# Altium PCB Main.PcbDoc (part 2 of 2)
Units mm, origin at the board's own origin, x right, y up, seen from the top; angles counter-clockwise.
Board outline 52 x 90 mm, 4 copper layers (Top Copper, Top GND, Bottom GND, Bottom Copper), stack 1.586 mm thick; 127 components, 102 nets, 535 pads, 442 vias.
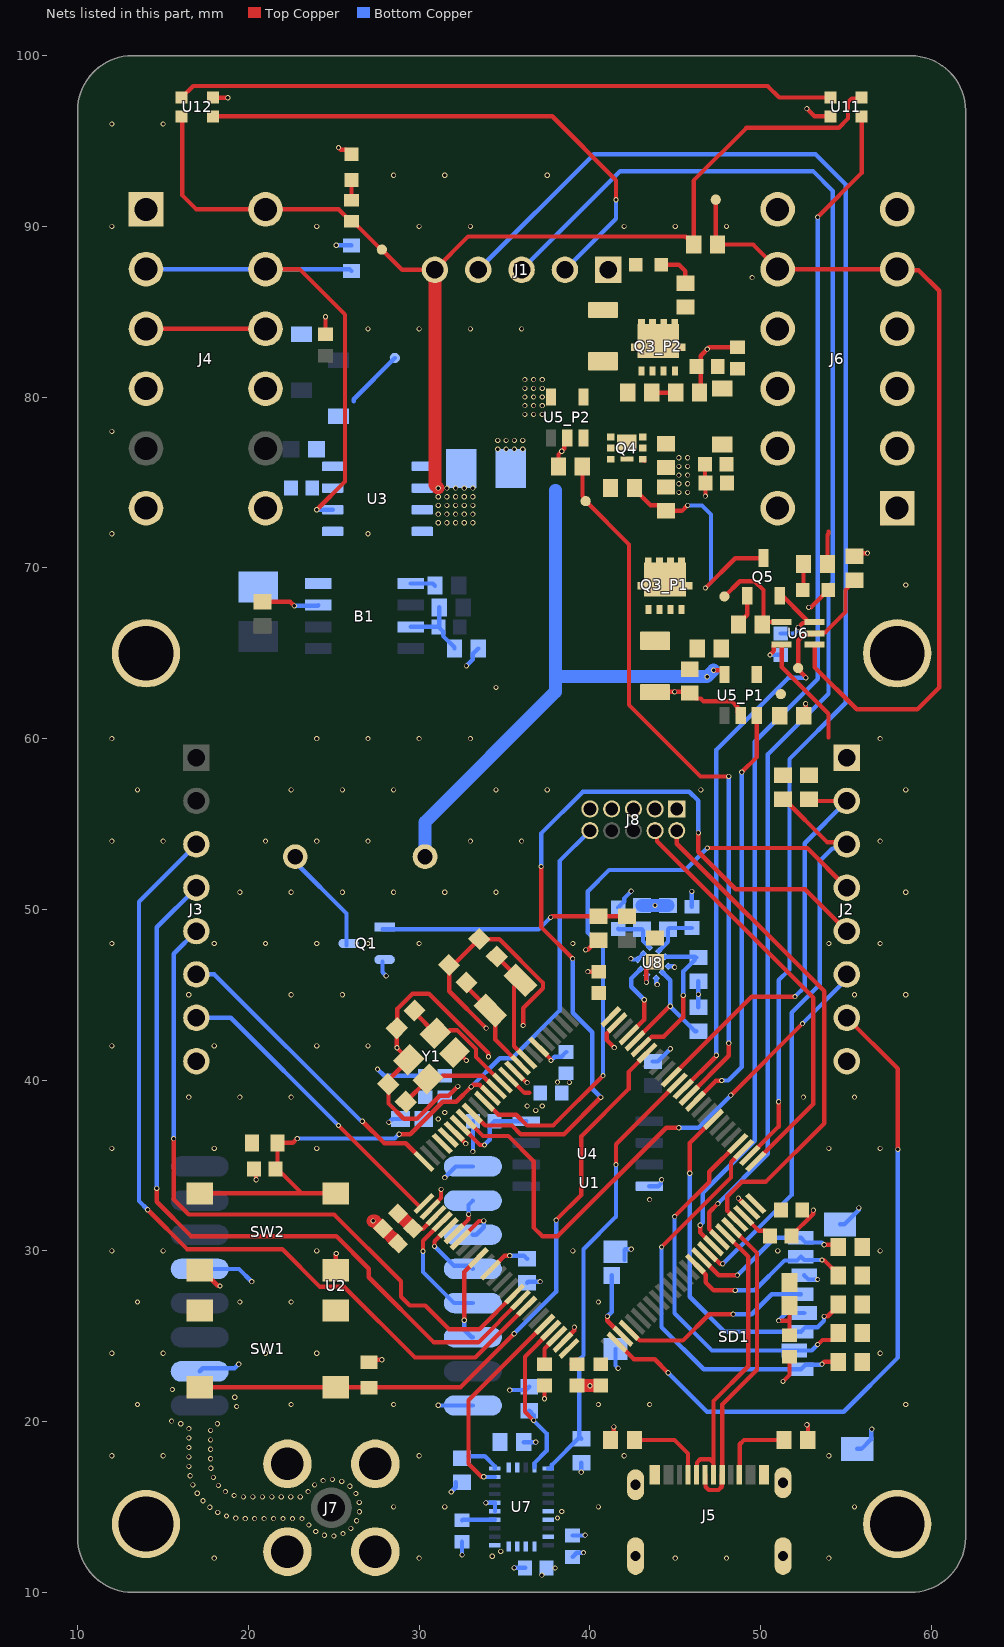
[diagram p4: the nets of this part, all layers, seen from the top]

## Via types
v1: diameter 0.3, hole 0.2, Top Copper to Bottom Copper, tented both sides, 442 vias

## Nets (pads, with @x,y where several pads share a name; then routed paths per layer and width w, separated by ;. In a path a pad name is that pad's centre, name@x,y a point inside that pad or via, vN(x,y) a via of type N, cw(c..) or ccw(c..) an arc to the next point about the centre after c; other vN are vias at no path point) (continued)
GND: B1.4 C1.2 C2.2 C3.2 C4.2 C5.1 C6.2 C7.1 C8.1 C9.1 C10.1 C11.2 C12.2 C13.1 C14.2 C15.2 C16.2 C17.2 C18.1 C19.1 C20.1 C21.1 C22.1 C23.1 C24.1 C25_P1.2 C25_P2.2 C26_P1.2 C26_P2.2 C27.2 C28.1 C29.1 C31.1 C32.1 D2_P1.1 D2_P2.1 D5.1 F1_P1.2 F1_P2.2 J1.1 J2.8 J3.8 J4.7 J4.8 J4.11 J4.12 J5.A1 J5.A12 J5.B1 J5.B12 J5.S1 J5.S2 J5.S3 J5.S4 J6.11 J6.12 J7.2 J7.3 J7.4 J7.5 J8.3 J8.5 J8.7 J8.9 pad.M1 pad.M2 pad.M3 pad.M4 Q1.2 Q5.2 R15.1 R16.1 R18.1 R19.2 R20.2 R28_P1.1 R28_P2.1 R29_P1.1 R29_P2.1 R34.1 R37.2 R38.1 SD1.6 SD1.10 SD1.11 SD1.12 SD1.13 SW2.1 SW2.2 U1.10 U1.20 U1.27 U1.49 U1.74 U1.99 U2.1 U2.8 U2.10 U3.1 U4.4 U5_P1.2 U5_P2.2 U6.3 U7.2 U7.4 U7.5 U7.6 U7.25 U7.26 U8.3 U8.5 U8.8 U8.9 U11.2 U12.2 Y1.2 Y1.4 | length 113.3
  Top Copper w0.254: SW2.2@17.156,28.865 17.281,28.865 18.197,27.949 18.327,27.949 v1(18.336,27.94) ; U12.2@17.749,97.651 17.856,97.543 18.789,97.543 v1(18.796,97.536) ; C13.1@20.278,34.798 20.447,34.629 v1(20.447,34.163) ; C32.1@24.511,83.684 v1(24.511,84.709) ; SW2.1@25.106,28.865 25.106,29.805 v1(25.146,29.845) ; v1(25.273,94.615) 25.285,94.615 25.405,94.495 25.762,94.495 D5.1@26.035,94.222 ; R18.1@27.051,23.483 27.19,23.622 v1(27.813,23.622) ; U1.27@30.639,32.417 30.639,32.45 31.279,33.09 31.279,33.59 v1(31.288,33.598) ; U1.20@32.054,36.997 32.054,36.965 32.728,36.29 v1(32.728,36.278) ; Y1.4@32.078,41.614 32.3,41.614 v1(32.766,41.148) ; v1(32.264,39.628) 31.715,39.079 31.205,39.079 29.867,37.741 29.097,37.741 28.204,38.633 28.204,39.741 C17.2@28.188,39.757 28.188,39.987 Y1.2@29.39,41.19 28.702,41.878 v1(28.702,41.894) 28.68,41.917 28.68,43.031 C16.2@28.696,43.047 28.712,43.063 28.712,44.171 29.605,45.063 30.567,45.063 34.05,41.581 34.05,41.376 v1(34.059,41.367) ; v1(33.92,43.044) 31.76,45.204 31.76,46.726 C15.2@31.744,46.742 31.998,46.742 C14.2@33.522,48.266 33.538,48.25 34.698,48.25 37.253,45.694 37.253,45.381 36.086,44.214 v1(36.086,43.198) ; U1.10@35.589,40.532 35.622,40.532 36.289,39.865 36.313,39.865 v1(36.322,39.856) ; v1(37.338,21.336) C12.2@37.338,22.107 ; R29_P2.1@38.162,75.946 38.162,76.643 v1(38.354,76.835) 38.354,76.847 38.501,76.994 38.501,77.437 U5_P2.2@38.674,77.61 ; U1.49@38.417,24.639 38.417,24.672 39.082,25.337 39.082,25.518 v1(39.091,25.527) ; v1(39.751,47.625) 39.76,47.634 39.877,47.634 40.438,48.195 R16.1@40.513,48.195 ; v1(39.878,46.355) 40.504,46.355 C23.1@40.513,46.346 ; R19.2@41.21,18.923 41.402,18.923 v1(41.402,19.685) ; v1(41.425,41.904) 40.982,42.347 40.982,42.727 41.583,43.328 U1.99@41.583,43.361 ; F1_P1.2@43.815,62.722 43.831,62.738 v1(44.958,62.738) 45.782,62.738 46.17,62.35 46.489,62.35 46.658,62.181 48.314,62.181 48.656,61.839 48.656,61.527 U5_P1.2@48.829,61.354 ; R28_P2.1@46.42,80.264 46.491,80.335 46.491,82.432 46.981,82.922 C26_P1.2@48.641,82.922 ; C26_P2.2@46.745,76.073 46.745,74.983 46.767,74.961 v1(46.767,74.208) ; v1@48.695,33.084 U1.74@49.361,32.417 ; Q5.2@51.115,68.75 51.115,68.525 52.705,66.935 U6.3@52.705,66.878 ; v1(51.308,22.352) 51.689,22.733 C6.2@51.689,23.799 ; C11.2@51.807,30.861 51.807,30.892 53.077,32.162 53.077,32.376 v1(53.086,32.385) ; v1(52.197,66.515) 52.209,66.515 52.471,66.777 53.111,66.777 U6.3@53.162,66.827 ; R29_P1.1@52.516,61.341 52.636,61.461 v1(52.636,62.045) ; v1(52.705,19.812) 52.77,19.812 R20.2@52.77,18.923 ; v1(52.705,96.901) 53.156,96.45 U11.2@54.085,96.45 ; v1(52.809,67.691) 52.818,67.7 52.956,67.7 D2_P1.1@53.963,68.707 ; R34.1@55.499,70.677 55.688,70.866 v1(56.261,70.866)
  Top Copper w0.76: v1(27.305,31.75) 27.403,31.75 27.846,31.307 C20.1@27.878,31.307 C28.1@28.767,30.418 ; C18.1@39.243,22.107 39.252,22.098 40.6,22.098 C19.1@40.609,22.107
  Bottom Copper w0.254: U2.10@17.146,22.94 17.327,23.121 19.184,23.121 v1(19.431,23.368) ; J4.8@20.868,80.632 J4.8@21,80.5 ; v1(25.146,88.9) 26.023,88.9 R15.1@26.035,88.888 ; v1(27.559,40.64) 27.949,40.25 C9.1@30.353,40.25 C10.1@31.496,40.25 ; Q1.2@27.847,46.929 27.847,46.321 v1(28.067,46.101) ; v1(31.115,20.955) 31.13,20.94 U2.8@33.146,20.94 ; v1(31.496,34.29) 32.146,34.94 U2.1@33.146,34.94 ; v1(32.512,12.192) C4.2@32.512,12.963 ; v1@32.775,64.271 33.143,64.639 33.143,64.955 R37.2@33.466,65.278 ; v1(33.147,35.814) 33.156,35.823 33.156,35.954 C29.1@33.156,37.592 ; R38.1@36.322,28.129 36.387,28.194 v1(37.084,28.194) ; C3.2@38.989,12.074 39.234,12.319 v1(39.624,12.319) ; SD1.11@41.5,24.25 41.5,23.282 41.656,23.126 v1(41.656,23.114) ; C8.1@41.656,50.105 42.004,50.453 42.004,50.64 42.405,51.041 42.405,51.061 v1(42.414,51.07) ; SD1.10@42.023,29.473 42.023,30.049 42.073,30.099 v1(42.418,30.099) ; v1(42.403,47.117) 42.454,47.066 42.778,47.066 U8.8@42.786,47.057 U8.9@43.14,47.411 ; U4.4@43.483,33.782 43.998,33.782 44.161,33.945 44.161,34.128 v1(44.196,34.163) ; U8.5@43.882,45.961 43.891,45.953 43.891,45.644 v1(43.942,45.593) ; U8.3@44.59,46.669 44.598,46.66 44.907,46.66 v1(44.958,46.609) ; C7.1@45.974,50.156 v1(45.974,51.054) ; C27.2@51.181,66.158 51.972,66.158 52.2,66.386 52.179,66.386 52.176,66.388 52.176,66.495 v1(52.197,66.515) ; SD1.6@52.56,28.56 52.799,28.321 v1(53.34,28.321) ; SD1.13@54.65,31.55 54.9,31.55 55.744,32.394 55.744,32.503 v1(55.753,32.512) ; SD1.12@55.65,18.4 55.9,18.4 56.473,18.973 56.473,19.504 56.515,19.546 v1(56.515,19.558)
  other v1: 37.188,11.002 37.966,11.422 18,12 30,12 45,12 48,12 54,12 34.28,12.114 34.78,12.391 25.004,13.297 24.452,13.338 25.54,13.438 23.945,13.56 26.003,13.743 23.542,13.94 26.336,14.186 19.81,14.316 20.364,14.316 20.918,14.316 21.472,14.316 22.026,14.316 22.58,14.316 23.134,14.316 19.257,14.343 38.1,14.351 18.717,14.467 18.205,14.679 26.499,14.715 38.354,14.732 17.741,14.981 28.5,15 31.5,15 40.5,15 55.5,15 26.488,15.269 17.336,15.359 19.707,15.586 20.261,15.586 20.815,15.586 21.369,15.586 21.923,15.586 22.477,15.586 23.031,15.586 19.159,15.67 17.002,15.801 26.293,15.788 18.653,15.894 23.491,15.895 25.938,16.213 18.241,16.264 16.749,16.294 23.879,16.291 25.461,16.496 24.371,16.545 24.921,16.616 17.943,16.731 16.584,16.823 17.803,17.267 16.514,17.372 17.781,17.821 16.511,17.926 12,18 15,18 30,18 42,18 54,18 17.781,18.375 16.511,18.48 17.781,18.929 16.511,19.034 17.781,19.483 16.511,19.588 16.035,19.872 18.178,19.869 15.504,20.029 19.308,20.883 13.5,21 22.5,21 28.5,21 40.5,21 43.5,21 58.5,21 19.194,21.425 15.543,21.877 40.005,22.098 12,24 15,24 21,24 24,24 57,24 13.5,27 19.5,27 22.5,27 40.5,27 12,30 15,30 24,30 39,30 51,30 57,30 43.5,33 48.695,33.085 12,36 18,36 24,36 54,36 57,36 16.5,39 19.5,39 22.5,39 52.5,39 55.5,39 38.795,39.863 38.1,39.878 12,42 18,42 24,42 27,42 16.5,45 22.5,45 25.5,45 55.5,45 58.5,45 12,48 18,48 21,48 24,48 27,48 30,48 39,48 54,48 57,48 19.5,51 22.5,51 25.5,51 28.5,51 31.5,51 34.5,51 58.5,51 12,54 15,54 21,54 24,54 27,54 33,54 36,54 57,54 13.5,57 22.5,57 25.5,57 28.5,57 34.5,57 37.5,57 46.5,57 58.5,57 12,60 24,60 27,60 30,60 33,60 57,60 34.5,63 32.766,64.262 58.5,69 12,72 27,72 34.599,76.962 35.089,76.962 35.578,76.962 36.068,76.962 34.599,77.472 35.089,77.472 35.578,77.472 36.068,77.472 12,78 46.874,82.815 27,84 30,84 33,84 36,84 49.5,87 12,90 24,90 30,90 33,90 42,90 45,90 48,90 28.5,93 31.5,93 37.5,93 12,96 15,96
GPIO1: J3.5 U1.41 | length 40.8
  Top Copper w0.254: v1(15.621,36.576) 15.621,33.013 16.503,32.131 25.019,32.131 28.933,28.217 28.933,27.316 29.452,26.797 30.353,26.797 31.745,25.405 33.526,25.405 U1.41@35.589,27.468
  Bottom Copper w0.254: v1(15.621,36.576) 15.621,47.401 J3.5@16.95,48.73
GPIO2: J3.4 U1.42 | length 45.4
  Top Copper w0.254: v1(14.628,33.655) 14.628,32.87 16.637,30.861 25.146,30.861 27.051,28.956 27.051,28.448 30.861,24.638 33.466,24.638 U1.42@35.943,27.114
  Bottom Copper w0.254: v1(14.628,33.655) 14.628,48.948 J3.4@16.95,51.27
GPIO3: J3.3 U1.43 | length 50
  Top Copper w0.254: v1(14.097,32.407) 16.405,30.099 21.985,30.099 24.196,27.888 25.612,27.888 29.751,23.749 33.285,23.749 U1.43@36.296,26.761
  Bottom Copper w0.254: v1(14.097,32.407) 13.589,32.915 13.589,50.449 J3.3@16.95,53.81
GPS_LED: J1.2 U12.1 | length 31.7
  Top Copper w0.254: U12.1@17.915,96.45 37.789,96.45 41.529,92.71 v1(41.529,91.567)
  Bottom Copper w0.254: J1.2@38.54,87.46 41.529,90.449 v1(41.529,91.567)
GPS_RX: J1.4 U1.77 | length 84.3
  Top Copper w0.254: U1.77@49.361,35.583 51.054,37.276 v1(51.054,38.735)
  Bottom Copper w0.254: J1.4@33.46,87.46 40.234,94.234 53.213,94.234 54.991,92.456 54.991,62.103 51.689,58.801 51.689,46.482 51.054,45.847 v1(51.054,38.735)
GPS_TX: J1.3 U1.69 | length 85.8
  Top Copper w0.254: v1(47.498,32.766) 46.99,32.258 46.99,31.285 47.593,30.682 U1.69@47.593,30.65
  Bottom Copper w0.254: J1.3@36,87.46 41.78,93.24 53.064,93.24 54.229,92.075 54.229,69.152 53.975,68.898 53.975,62.633 50.419,59.077 50.419,35.687 v1(47.498,32.766)
I2C1_SCL: R10.2 U1.95 U8.2 | length 8.8
  Top Copper w0.254: U1.95@42.997,41.946 43.029,41.946 43.63,42.547 43.901,42.547 43.904,42.545 44.323,42.545 45.466,43.688 v1(45.466,44.958)
  Bottom Copper w0.254: U8.2@44.395,47.217 44.404,47.225 R10.2@46.144,47.225 ; v1(45.466,44.958) 45.466,46.368 46.153,47.055 46.153,47.182 R10.2@46.228,47.182
I2C1_SDA: R9.2 U1.96 U8.4 | length 7.2
  Top Copper w0.254: U1.96@42.643,42.3 44.666,44.323 v1(44.704,44.323)
  Bottom Copper w0.254: U8.4@44.236,46.315 44.704,45.847 44.704,44.31 46.153,42.861 R9.2@46.228,42.861
I2C2_SCL: R12.2 U1.47 U7.19 | length 10.2
  Top Copper w0.254: v1(36.703,20.066) 36.195,20.574 36.195,23.799 37.71,25.314 U1.47@37.71,25.346
  Bottom Copper w0.254: R12.2@36.449,20.636 36.703,20.382 v1(36.703,20.066) 37.465,19.304 37.465,18.288 36.75,17.573 U7.19@36.75,17.313
I2C2_SDA: R11.2 U1.89 U7.20 | length 26
  Top Copper w0.254: v1(41.529,35.052) 41.529,36.236 U1.89@45.118,39.825
  Bottom Copper w0.254: U7.20@37.562,17.25 37.771,17.25 37.773,17.252 37.773,17.461 R11.2@39.399,19.086 ; R11.2@39.497,18.988 39.372,19.113 39.372,23.624 39.622,23.874 39.622,30.097 41.529,32.004 v1(41.529,35.052)
I2C3_SCL: J2.3 R39.2 U1.67 | length 34
  Top Copper w0.254: U1.67@46.886,29.943 46.918,29.943 47.619,29.242 47.766,29.242 v1(47.775,29.233) ; R39.2@51.308,56.45 51.383,56.45 53.894,53.939 54.921,53.939 J2.3@55.05,53.81
  Bottom Copper w0.254: v1(47.775,29.233) 51.816,33.274 51.816,43.942 53.467,45.593 53.467,52.832 54.197,53.562 54.802,53.562 J2.3@55.05,53.81
I2C3_SDA: J2.2 R40.2 U1.90 | length 24.2
  Top Copper w0.254: U1.90@44.764,40.179 49.475,44.889 v1(52.012,44.889) ; R40.2@52.832,56.45 52.932,56.35 J2.2@55.05,56.35
  Bottom Copper w0.254: v1(52.012,44.889) 52.578,45.455 52.578,53.878 J2.2@55.05,56.35
IMU_INT: U1.46 U7.14 | length 11.9
  Top Copper w0.254: v1(33.782,16.764) 33.655,16.764 32.893,17.526 32.893,21.245 37.348,25.7 U1.46@37.357,25.7
  Bottom Copper w0.254: v1(33.782,16.764) 33.796,16.75 U7.14@34.438,16.75
LED: U1.68 U11.3 | length 70.4
  Top Copper w0.254: v1(46.459,31.496) 46.459,31.077 U1.68@47.239,30.296 ; v1(53.34,90.551) 55.915,93.126 U11.3@55.915,96.45
  Bottom Copper w0.254: v1(46.459,31.496) 46.459,31.508 46.609,31.658 46.609,33.401 49.657,36.449 49.657,59.817 53.34,63.5 v1(53.34,90.551)
MainSwitch_Low: J4.3 J4.4 R15.2 U3.2 | length 30.9
  Top Copper w0.254: J4.4@21,87.5 22.99,87.5 25.654,84.836 25.654,75.057 v1(24.003,73.406)
  Bottom Copper w0.254: J4.3@14,87.5 J4.4@21,87.5 25.923,87.5 R15.2@26.035,87.388 ; v1(24.003,73.406) U3.2@24.934,73.406
MISO: U1.31 U2.2 | length 2.4
  Top Copper w0.254: U1.31@32.054,31.003 32.884,31.834 32.884,32.122 v1(32.893,32.131)
  Bottom Copper w0.254: v1(32.893,32.131) 32.893,32.687 U2.2@33.146,32.94
MOSI: U1.32 U2.3 | length 3
  Top Copper w0.254: U1.32@32.407,30.65 33.507,31.75 v1(33.782,31.75)
  Bottom Copper w0.254: U2.3@33.146,30.94 33.345,30.94 33.782,31.377 v1(33.782,31.75)
MPU_BOOT0: R18.2 SW1.1 SW1.2 U1.94 | length 39.4
  Top Copper w0.254: SW1.2@17.156,22.007 32.421,22.007 v1(35.56,25.146) ; v1(38.021,31.798) 39.497,33.274 39.497,36.703 42.268,39.474 42.268,40.478 42.85,41.06 43.35,41.56 U1.94@43.35,41.593
  Bottom Copper w0.254: v1(35.56,25.146) 38.021,27.607 v1(38.021,31.798)
MPU_HSE_IN: C16.1 U1.12 Y1.1 | length 7.4
  Top Copper w0.254: C16.1@29.724,44.075 29.724,43.968 Y1.1@30.946,42.746 31.615,42.746 31.796,42.926 32.218,42.926 33.324,41.82 33.324,41.351 34.849,39.825 U1.12@34.882,39.825
MPU_HSE_OUT: C17.1 U1.13 Y1.3 | length 6.3
  Top Copper w0.254: C17.1@29.216,38.729 30.522,40.035 Y1.3@30.522,40.058 31.191,40.058 31.391,40.259 33.708,40.259 34.496,39.472 U1.13@34.528,39.472
MPU_LSE_IN: C14.1 U1.8 Y2.1 | length 7
  Top Copper w0.254: C14.1@34.55,47.238 34.55,47.228 Y2.1@35.936,45.842 35.555,45.461 35.555,41.981 U1.8@36.296,41.239
MPU_LSE_OUT: C15.1 U1.9 Y2.2 | length 6.1
  Top Copper w0.254: C15.1@32.772,45.714 32.772,45.47 Y2.2@34.168,44.074 34.451,43.791 34.451,42.377 U1.9@35.943,40.886
MPU_NRST: C13.2 J8.10 R17.1 SW2.3 SW2.4 U1.14 | length 44.5
  Top Copper w0.254: SW2.4@17.156,33.365 23.138,33.365 ; v1(22.86,36.576) 22.848,36.576 22.594,36.322 R17.1@21.705,36.322 21.705,34.871 21.632,34.798 21.705,34.798 23.138,33.365 ; SW2.3@24.807,33.664 SW2.3@25.106,33.365 23.138,33.365 ; v1(28.829,36.83) 29.475,36.83 31.38,38.735 32.177,38.735 v1(33.043,39.601) ; v1@33.058,39.586 33.058,39.603 33.174,39.719 33.541,39.719 34.142,39.118 U1.14@34.175,39.118
  Bottom Copper w0.254: v1(22.86,36.576) 28.563,36.576 28.817,36.83 v1(28.829,36.83) ; v1(33.043,39.601) 34.724,41.281 35.439,41.281 38.227,44.069 38.227,52.832 J8.10@40.005,54.61
MPU_VCAP1: C12.1 U1.48 | length 1.9
  Top Copper w0.254: C12.1@37.338,23.359 37.338,24.267 U1.48@38.064,24.993
MPU_VCAP2: C11.1 U1.73 | length 2.1
  Top Copper w0.254: U1.73@49.04,32.064 U1.73@49.007,32.064 49.903,31.168 50.279,31.168 50.555,30.892 C11.1@50.555,30.861
NetB1_3: B1.3 R3.1 | length 3.4
  Top Copper w0.254: R3.1@20.828,68.01 22.451,68.01 22.682,67.779 v1(22.694,67.779)
  Bottom Copper w0.254: v1(22.694,67.779) 22.703,67.788 24.056,67.788 B1.3@24.086,67.818
NetB1_5: B1.5 R1.2 | length 1.5
  Bottom Copper w0.254: B1.5@29.508,69.088 30.796,69.088 R1.2@30.923,68.961
NetB1_7: B1.7 C30.2 R2.2 R37.1 | length 4.4
  Bottom Copper w0.254: B1.7@29.508,66.548 C30.2@31.124,66.548 ; R2.2@31.177,67.691 31.177,66.601 C30.2@31.124,66.548 ; R37.1@32.066,65.278 32.066,65.353 31.4,66.019 31.4,66.272 C30.2@31.124,66.548
NetC4_1: C4.1 U7.9 | length 1.9
  Bottom Copper w0.254: C4.1@32.512,14.215 32.547,14.25 U7.9@34.438,14.25
NetC6_1: C6.1 FB2.1 SD1.4 | length 4.1
  Top Copper w0.254: v1(51.054,25.908) 51.673,25.908 51.689,25.924 ; C6.1@51.689,25.051 51.689,25.924 ; FB2.1@51.689,26.797 51.689,25.924
  Bottom Copper w0.254: v1(51.054,25.908) 51.506,26.36 SD1.4@52.56,26.36
NetD2_P1_2: D2_P1.2 R26_P1.1 | length 1.5
  Top Copper w0.254: D2_P1.2@52.463,68.707 52.513,68.757 R26_P1.1@52.513,70.231
NetD2_P2_2: D2_P2.2 R26_P2.1 | length 2.3
  Top Copper w0.254: D2_P2.2@44.184,87.757 45.212,87.757 45.593,87.376 R26_P2.1@45.593,86.679
NetD3_1: D3.1 Q4.1 Q4.2 Q4.5 Q4.6 Q4.7 R30.2
NetF1_P1_1: F1_P1.1 Q3_P1.1 Q3_P1.2 Q3_P1.3
NetF1_P2_1: F1_P2.1 Q3_P2.1 Q3_P2.2 Q3_P2.3
NetLS1_2: LS1.2 Q1.3 | length 6.5
  Bottom Copper w0.254: LS1.2@22.743,53.086 22.743,52.762 25.747,49.759 Q1.3@25.747,47.879
NetQ1_1: Q1.1 R16.2 R36.2 | length 14.6
  Top Copper w0.254: v1(37.696,49.53) 37.708,49.53 37.773,49.595 R36.2@42.164,49.595
  Bottom Copper w0.254: Q1.1@27.847,48.829 36.995,48.829 v1(37.696,49.53)
NetQ3_P1_4: Q3_P1.4 R27_P1.1 R28_P1.2
NetQ3_P2_4: Q3_P2.4 R27_P2.1 R28_P2.2 | length 1.5
  Top Copper w0.254: R27_P2.1@43.626,80.264 R28_P2.2@45.02,80.264 R28_P2.2@44.946,80.338
NetQ4_3: Q4.3 R32.1
NetQ5_1: Q5.1 R33.1 | length 2.3
  Top Copper w0.254: R33.1@48.703,66.675 48.703,66.75 49.215,67.262 Q5.1@49.215,68.75
NetQ5_3: Q5.3 R31.1 R32.2 | length 14
  Top Copper w0.254: R32.2@42.61,74.676 42.61,74.601 43.547,73.664 44.127,73.664 R31.1@44.45,73.341 45.389,73.341 45.708,73.66 v1(45.72,73.66) ; v1(46.764,68.821) 48.512,70.569 Q5.3@50.165,70.569
  Bottom Copper w0.254: v1(45.72,73.66) 46.563,73.66 47.092,73.13 47.092,69.149 v1(46.764,68.821)
NetR6_1: R6.1 U8.6 | length 1.9
  Top Copper w0.254: v1(43.307,45.72) 43.307,46.492 43.74,46.925 R6.1@43.815,46.925
  Bottom Copper w0.254: v1(43.307,45.72) 43.326,45.739 43.326,46.147 U8.6@43.334,46.156
NetR7_2: R7.2 U7.15 | length 1.9
  Bottom Copper w0.254: R7.2@32.893,17.969 33.847,17.969 34.417,17.399 34.417,17.252 34.419,17.25 U7.15@34.438,17.25
NetR8_2: R8.2 U7.16
NetR27_P1_2: R27_P1.2 U5_P1.4
NetR27_P2_2: R27_P2.2 U5_P2.4
NetR33_2: R33.2 TP5.1 U6.4 | length 6.6
  Top Copper w0.254: TP5.1@47.879,68.326 48.774,69.221 49.65,69.221 50.165,68.706 R33.2@50.165,66.737 ; R33.2@49.78,66.352 R33.2@50.103,66.675 R33.2@50.165,66.737 ; R33.2@50.165,66.675 R33.2@50.165,66.737 ; U6.4@50.959,66.878 U6.4@51.01,66.827 ; U6.4@51.232,66.827 U6.4@51.01,66.827 ; R33.2@50.165,66.737 50.255,66.827 U6.4@51.01,66.827
NetR38_2: R38.2 U1.37 | length 2.6
  Top Copper w0.254: U1.37@34.175,28.882 35.002,29.709 35.297,29.709 v1(35.306,29.718)
  Bottom Copper w0.254: v1(35.306,29.718) 36.133,29.718 R38.2@36.322,29.529
NetU11_1: U11.1 U12.3 | length 38.6
  Top Copper w0.254: U12.3@16.085,97.55 16.762,98.227 50.408,98.227 51.085,97.55 U11.1@54.085,97.55
NRESET: U1.35 U2.6 | length 5.2
  Top Copper w0.254: v1(32.639,25.936) 32.639,28.76 U1.35@33.468,29.589
  Bottom Copper w0.254: v1(32.639,25.936) 32.639,25.377 33.076,24.94 U2.6@33.146,24.94
NSS: U1.29 U2.5 | length 7.1
  Top Copper w0.254: v1(30.226,29.972) 30.226,30.59 U1.29@31.346,31.71
  Bottom Copper w0.254: v1(30.226,29.972) 30.226,28.76 32.046,26.94 U2.5@33.146,26.94
PSENS_INT: U1.97 U8.7 | length 4.8
  Top Copper w0.254: U1.97@42.29,42.654 43.18,43.544 v1(43.18,44.704)
  Bottom Copper w0.254: U8.7@42.981,46.509 42.418,45.947 42.418,45.466 v1(43.18,44.704)
PSENS_VDD: C8.2 R5.1 U8.10 | length 2.7
  Bottom Copper w0.254: C8.2@41.656,48.854 41.681,48.83 R5.1@43.044,48.83 43.11,48.764 43.11,48.148 U8.10@43.494,47.765
PSENS_VDDIO: C7.2 R4.1 U8.1 | length 2.9
  Bottom Copper w0.254: U8.1@44.042,47.57 44.577,48.106 R4.1@44.577,48.83 44.652,48.905 C7.2@45.974,48.904
Pyro_Enable: R34.2 TP6.1 U1.88 U6.2 | length 35.3
  Top Copper w0.254: U1.88@45.472,39.472 47.399,41.399 47.399,41.443 v1(47.408,41.452) ; v1(52.647,63.558) 52.638,63.567 52.638,63.613 52.197,64.054 52.197,65.766 52.547,66.116 53.111,66.116 U6.2@53.162,66.167 53.213,66.218 53.777,66.218 54.974,67.415 54.974,68.7 55.297,69.023 R34.2@55.372,69.023
  Bottom Copper w0.254: v1(47.408,41.452) 47.408,59.346 51.62,63.558 v1(52.647,63.558)
Pyro_Fire_1: R29_P1.2 TP4_P1.1 U1.86 U5_P1.3 | length 24.5
  Top Copper w0.254: U1.86@46.179,38.764 47.38,39.966 47.713,39.966 v1(47.722,39.975) ; v1(48.895,58.039) 49.779,58.923 U5_P1.3@49.779,61.354
  Bottom Copper w0.254: v1(47.722,39.975) 48.103,39.975 48.895,40.767 v1(48.895,58.039)
Pyro_Fire_2: R29_P2.2 TP4_P2.1 U1.87 U5_P2.3 | length 42.3
  Top Copper w0.254: R29_P2.2@39.562,75.946 39.562,74.197 39.751,74.008 TP4_P2.1@39.751,73.914 42.291,71.374 42.291,61.976 46.482,57.785 v1(48.133,57.785) ; U1.87@45.825,39.118 48.133,41.426 v1(48.133,42.164)
  Bottom Copper w0.254: v1@48.133,42.176 v1(48.133,57.785)
Pyro_High_1: C25_P1.1 C25_P2.1 C26_P1.1 C26_P2.1 D3.2 J6.3 J6.4 J6.5 J6.6
Pyro_Interlock_High: J6.9 J6.10 R35.2 TP7.1 U6.1 | length 50.2
  Top Copper w0.254: TP7.1@47.371,91.567 47.371,90.297 47.371,89.047 R35.2@47.476,88.942 47.498,88.942 49.558,88.942 J6.10@51,87.5 J6.9@58,87.5 58.06,87.44 59.245,87.44 60.457,86.228 60.457,62.997 59.182,61.722 55.626,61.722 53.162,64.186 U6.1@53.162,65.507
Pyro_Low_1: J6.1 J6.2 Q3_P1.5 Q3_P1.6 Q3_P1.7 Q3_P1.8 Q3_P1.9 Q3_P1.10 Q3_P1.11 R26_P1.2 | length 3.2
  Top Copper w0.254: R26_P1.2@53.913,70.231 53.913,71.947 53.975,72.009 53.975,72.136 ; J6.1@57.115,72.615 J6.1@58,73.5
Pyro_Low_2: J6.7 J6.8 Q3_P2.5 Q3_P2.6 Q3_P2.7 Q3_P2.8 Q3_P2.9 Q3_P2.10 Q3_P2.11 R26_P2.2
"REG LED": D5.2 R14.1 | length 1.2
  Top Copper w0.254: R14.1@26.035,91.547 26.035,92.659 26.003,92.69 D5.2@26.035,92.722
"REG RESET": U3.8
SCK: U1.30 U2.4 | length 4.2
  Top Copper w0.254: v1(30.899,30.264) 30.899,30.556 U1.30@31.7,31.357
  Bottom Copper w0.254: v1(30.899,30.264) 32.042,29.121 32.965,29.121 U2.4@33.146,28.94
SD_Detect: SD1.9 U1.53 | length 4.1
  Top Copper w0.254: v1(41.021,26.162) 41.021,25.908 U1.53@41.936,24.993
  Bottom Copper w0.254: v1(41.021,26.162) 41.275,26.416 SD1.9@41.275,28.56
SDIO_CK: SD1.5 U1.54 | length 11.4
  Top Copper w0.254: U1.54@42.29,25.346 42.322,25.346 42.923,24.745 45.446,24.745 46.99,26.289 v1(48.387,26.289)
  Bottom Copper w0.254: v1(48.387,26.289) 49.483,26.289 50.654,27.46 SD1.5@52.36,27.46
SDIO_CM: R23.1 SD1.3 U1.83 | length 21.4
  Top Copper w0.254: v1(45.847,34.544) 45.847,36.311 U1.83@47.239,37.704 ; v1(53.721,26.162) 53.73,26.171 53.93,26.171 54.545,26.786 R23.1@54.545,26.86
  Bottom Copper w0.254: v1(45.847,34.544) 45.847,27.305 47.901,25.251 48.111,25.251 48.12,25.26 SD1.3@52.36,25.26 52.633,25.533 53.345,25.533 53.712,25.9 53.712,26.153 v1(53.721,26.162)
SDIO_D0: R22.1 SD1.7 U1.65 | length 10.6
  Top Copper w0.254: U1.65@46.179,29.236 46.179,29.203 46.78,28.602 46.78,28.15 47.244,27.686 v1(48.514,27.686) ; v1(53.594,29.464) 53.603,29.455 53.708,29.455 54.545,28.618 R22.1@54.545,28.543
  Bottom Copper w0.254: v1(48.514,27.686) 49.657,27.686 51.405,29.434 52.134,29.434 SD1.7@52.36,29.66 52.556,29.464 v1(53.594,29.464)
SDIO_D1: R21.1 SD1.8 U1.66 | length 9.6
  Top Copper w0.254: U1.66@46.532,29.589 47.546,28.575 v1(48.641,28.575) ; v1(53.721,30.353) 54.418,30.353 R21.1@54.545,30.226
  Bottom Copper w0.254: v1(48.641,28.575) 50.826,30.76 SD1.8@52.36,30.76 52.633,30.487 53.575,30.487 53.709,30.353 v1(53.721,30.353)
SDIO_D2: R25.1 SD1.1 U1.78 | length 24
  Top Copper w0.254: v1(44.196,30.226) 48.26,34.29 48.26,35.189 U1.78@49.007,35.936 ; v1(53.594,23.368) 53.606,23.368 53.733,23.495 R25.1@54.545,23.495
  Bottom Copper w0.254: v1(44.196,30.226) 44.196,25.527 46.663,23.06 SD1.1@52.36,23.06 52.633,23.333 53.547,23.333 53.582,23.368 v1(53.594,23.368)
SDIO_D3: R24.1 SD1.2 U1.79 | length 22.4
  Top Copper w0.254: v1(44.958,32.004) 46.99,34.036 46.99,34.626 U1.79@48.654,36.29 ; v1(53.34,24.511) 53.352,24.511 53.621,24.78 54.222,24.78 54.545,25.103 R24.1@54.545,25.178
  Bottom Copper w0.254: v1(44.958,32.004) 44.958,26.349 47.147,24.16 SD1.2@51.96,24.16 52.989,24.16 v1(53.34,24.511)
Solar_ADC1: J2.4 U1.15 | length 37.1
  Top Copper w0.254: U1.15@33.821,38.764 33.854,38.764 34.645,37.973 35.687,37.973 36.322,37.338 37.846,37.338 v1(40.767,40.259) ; v1(46.877,53.594) 52.726,53.594 J2.4@55.05,51.27
  Bottom Copper w0.254: v1(40.767,40.259) 40.767,47.752 39.878,48.641 39.878,51.054 41.126,52.302 45.585,52.302 v1(46.877,53.594)
SPI2_MISO: J2.5 U1.17 | length 49.9
  Top Copper w0.254: U1.17@33.114,38.057 33.147,38.057 33.866,37.338 35.433,37.338 35.941,36.83 38.481,36.83 v1(40.64,38.989) ; v1(37.142,52.509) 37.142,48.964 v1(38.989,47.117) ; v1(46.355,54.483) 46.355,53.927 46.346,53.918 46.346,53.374 48.544,51.176 52.604,51.176 J2.5@55.05,48.73
  Bottom Copper w0.254: v1(37.142,52.509) 37.142,54.441 39.588,56.887 45.824,56.887 46.355,56.356 v1(46.355,54.483) ; v1(38.989,47.117) 38.989,43.942 40.132,42.799 40.132,39.497 v1(40.64,38.989)
SPI2_MOSI: J2.6 U1.18 | length 33.9
  Top Copper w0.254: U1.18@32.761,37.704 33.736,36.728 35.225,36.728 36.703,35.25 36.703,31.369 37.211,30.861 38.122,30.861 44.472,37.211 v1(45.212,37.211) ; v1(48.26,39.116) v1(52.451,43.307)
  Bottom Copper w0.254: v1(45.212,37.211) 46.355,37.211 v1(48.26,39.116) ; v1(52.451,43.307) 52.451,43.319 55.05,45.918 J2.6@55.05,46.19
SPI2_SCK: J2.7 U1.52 | length 40.7
  Top Copper w0.254: U1.52@41.583,24.639 42.577,23.645 43.792,23.645 v1(44.577,22.86) ; J2.7@54.978,43.722 58.039,40.661 v1(58.039,35.941)
  Bottom Copper w0.254: v1(44.577,22.86) 46.863,20.574 54.864,20.574 58.039,23.749 v1(58.039,35.941)
SWCLK: J8.4 U1.76 | length 24.6
  Top Copper w0.254: J8.4@43.815,54.61 43.93,54.495 43.93,53.987 53.086,44.831 53.086,38.601 U1.76@49.714,35.229
SWIO: J8.2 U1.72 | length 29.9
  Top Copper w0.254: J8.2@45.085,54.61 45.085,53.848 53.721,45.212 53.721,37.465 50.292,34.036 48.895,34.036 48.053,33.194 48.053,32.344 48.654,31.743 U1.72@48.654,31.71
UART2_RX: J3.7 U1.26 | length 18
  Top Copper w0.254: v1(25.273,37.338) 30.047,32.564 30.079,32.564 U1.26@30.286,32.771
  Bottom Copper w0.254: J3.7@16.95,43.65 18.961,43.65 v1(25.273,37.338)
UART2_TX: J3.6 U1.25 | length 17.9
  Top Copper w0.254: v1(26.67,37.592) 27.963,36.299 29.216,36.299 U1.25@30.286,35.229
  Bottom Copper w0.254: J3.6@16.95,46.19 18,46.19 26.589,37.601 26.661,37.601 v1(26.67,37.592)
Umbilical_High: D4.1 J4.5 J4.6 | length 7
  Top Copper w0.254: J4.5@14,84 J4.6@21,84
USB_CC_1: J5.A5 R19.1 | length 4.7
  Top Copper w0.254: R19.1@42.61,18.923 44.958,18.923 45.75,18.131 J5.A5@45.75,16.891
USB_CC_2: J5.B5 R20.1 | length 4.5
  Top Copper w0.254: J5.B5@48.75,16.891 48.773,16.914 48.773,18.674 49.022,18.923 R20.1@51.37,18.923
USB_Data_N: J5.A7 J5.B7 U1.70 | length 17.3
  Top Copper w0.254: J5.B7@46.25,16.891 46.273,16.914 46.273,17.596 46.465,17.788 47.035,17.788 47.227,17.596 ; J5.A7@47.25,16.891 47.242,16.899 47.242,17.596 47.242,21.207 49.276,23.241 49.276,29.662 47.946,30.992 U1.70@47.946,31.003
USB_Data_P: J5.A6 J5.B6 U1.71 | length 18.5
  Top Copper w0.254: J5.A6@46.75,16.891 46.773,16.868 46.773,16.186 46.965,15.994 47.535,15.994 47.727,16.186 47.727,16.868 J5.B6@47.75,16.891 47.75,17.596 47.75,20.997 49.784,23.031 49.784,29.873 U1.71@48.3,31.357
VBAT: C5.2 D1.2 LS1.1 Q4.4 Q4.8 R30.1 R31.2 RT2.2 TP2.1 U3.3 U3.4 U5_P1.5 U5_P2.5 | length 38.5
  Top Copper w0.254: Q4.4@43.102,76.368 43.115,76.368 43.188,76.295 Q4.4@43.188,76.282 ; v1(47.244,64.008) 47.706,64.008 47.879,63.835 U5_P1.5@47.879,63.754
  Bottom Copper w0.254: 26.162,79.756 26.162,79.883 TP2.1@28.575,82.296
  Bottom Copper w0.76: LS1.1@30.343,53.086 30.343,55.108 37.973,62.738 37.973,63.627 ; 37.973,74.549 37.973,63.627 ; v1(47.244,64.008) v1(46.863,63.627) 37.973,63.627
  other v1: 45.212,74.422 45.72,74.422 45.212,74.93 45.72,74.93 45.21,75.438 45.72,75.438 45.212,75.946 45.72,75.946 45.212,76.454 45.72,76.454 36.195,78.994 36.703,78.994 37.211,78.994 36.195,79.502 36.703,79.502 37.211,79.502 36.195,80.01 36.703,80.01 37.211,80.01 36.195,80.518 36.703,80.518 37.211,80.518 36.195,81.026 36.703,81.026 37.211,81.026
VCC: C1.1 C2.1 C3.1 C18.2 C19.2 C20.2 C21.2 C22.2 C23.2 C24.2 C27.1 C28.2 C29.2 FB1.2 FB2.2 J1.5 J2.1 J4.1 J4.2 J8.1 R4.2 R5.2 R6.2 R7.1 R8.1 R9.1 R10.1 R11.1 R12.1 R13.2 R14.2 R17.2 R21.2 R22.2 R23.2 R24.2 R25.2 R35.1 R39.1 R40.1 SW1.3 SW1.4 TP3.1 U1.6 U1.11 U1.19 U1.28 U1.50 U1.75 U1.100 U2.13 U3.5 U3.6 U3.7 U4.8 U6.5 U7.3 U7.10 U7.11 U7.17 U7.28 U11.4 U12.4 | length 101.1
  Top Copper w0.254: U12.4@16.085,96.45 16.132,96.403 16.132,91.818 16.95,91 25.288,91 25.971,90.317 26.099,90.317 27.769,88.646 TP3.1@27.813,88.646 28.999,87.46 J1.5@30.92,87.46 32.868,89.408 45.604,89.408 45.672,89.34 45.753,89.34 R35.1@46.076,89.017 ; C28.2@29.653,31.304 29.674,31.282 30.211,31.282 U1.28@30.993,32.064 ; U1.19@32.407,37.35 33.56,36.197 v1(33.827,36.197) ; U1.11@35.236,40.179 35.248,40.179 36.175,39.252 36.44,39.252 36.449,39.243 ; U1.6@37.003,41.946 37.003,41.914 37.719,41.198 v1(37.719,41.148) ; R35.1@46.076,88.942 R35.1@46.076,89.017 ; v1(50.546,64.897) 50.546,64.909 50.775,65.138 50.775,65.456 50.825,65.507 U6.5@51.232,65.507 51.232,64.2 53.975,61.457 53.975,60.071 ; C22.2@51.161,32.356 C22.2@51.19,32.385 ; U11.4@55.915,97.55 55.862,97.497 55.333,97.497 55.118,97.282 55.118,96.321 54.57,95.773 51.57,95.773 49.164,95.773 46.076,92.685 R35.1@46.076,89.017
  Top Copper w0.76: C20.2@28.764,32.193 C28.2@29.653,31.304 ; J1.5@30.92,87.46 30.92,74.871 v1(31.115,74.676) ; C18.2@39.189,23.382 39.212,23.359 C18.2@39.243,23.359
  Bottom Copper w0.254: U2.13@17.146,28.94 19.447,28.94 v1(20.193,28.194) ; v1(28.223,37.521) 28.422,37.719 FB1.2@28.915,37.719 ; v1(31.877,15.875) 31.877,15.885 32.138,16.146 R7.1@32.138,16.445 ; v1(33.827,36.197) 33.827,36.21 34.132,36.514 34.132,37.316 C29.2@34.408,37.592 U4.8@36.273,37.592 ; v1(33.909,15.24) 33.917,15.248 34.436,15.248 U7.11@34.438,15.25 U7.10@34.438,14.75 ; v1(35.306,21.844) 36.257,21.844 R12.1@36.449,22.036 ; v1(35.56,11.43) C2.1@36.204,11.43 ; R8.1@36.133,18.796 v1(36.83,18.796) ; v1(37.719,41.148) 37.942,41.371 38.332,41.371 C21.2@38.608,41.647 ; C3.1@38.989,13.326 39.701,13.326 v1(39.723,13.348) ; v1(39.493,17.037) 39.497,17.041 R11.1@39.497,17.588 ; R13.2@43.688,41.086 43.969,41.086 44.71,41.827 44.71,41.829 v1(44.717,41.836) ; R9.1@46.355,44.261 v1(46.355,45.021) R10.1@46.355,45.782 ; v1(50.546,64.897) 50.555,64.906 C27.1@51.181,64.906
  Bottom Copper w0.76: R5.2@43.044,50.23 v1(43.81,50.23) R4.2@44.577,50.23
  other v1: 36.83,38.227 36.322,38.481 37.211,38.481 31.115,72.644 31.623,72.644 32.131,72.644 32.639,72.644 33.147,72.644 31.115,73.152 31.623,73.152 32.131,73.152 32.639,73.152 33.147,73.152 31.115,73.66 31.623,73.66 32.131,73.66 32.639,73.66 33.147,73.66 31.115,74.168 31.623,74.168 32.131,74.168 32.639,74.168 33.147,74.168 31.623,74.676 32.131,74.676 32.639,74.676 33.147,74.676
VDDA: C9.2 C10.2 FB1.1 U1.21 U1.22
  other v1: 31.115,37.719 31.496,38.1
pads on no net: B1.2 B1.6 J5.A8 J5.B8 J8.6 J8.8 U1.1 U1.3 U1.4 U1.5 U1.7 U1.16 U1.23 U1.38 U1.39 U1.40 U1.44 U1.45 U1.51 U1.55 U1.56 U1.57 U1.60 U1.61 U1.62 U1.63 U1.64 U1.80 U1.81 U1.82 U1.84 U1.85 U1.91 U1.93 U2.7 U2.11 U2.12 U2.14 U5_P1.1 U5_P2.1 U7.1 U7.7 U7.8 U7.12 U7.13 U7.18 U7.21 U7.22 U7.23 U7.24 U7.27

## Polygon pours and split planes (outlines as drawn)
VCC on Top Copper "VCC_L01_P242" (solid, pour order 242): 10,60.5 62,60.5 62,10 10,10
VCC on Top Copper "VCC_L01_P187" (solid, pour order 187): 41.067,22.957 41.067,23.953 39.654,25.366 38.159,23.871 37.972,23.871 37.972,22.946
Pyro_Low_2 on Top Copper "NONET_L-01_P-001" (solid, pour order 204): 42.291,85.725 59.69,85.725 59.69,82.55 42.291,82.55
BatReg_IN on Top Copper "Top Copper-BatReg_IN" (solid, pour order 176): 15.24,55.118 19.659,55.118 24.529,62.738 31.242,62.738 31.242,65.786 28.575,65.786 27.305,64.516 18.034,64.516 18.034,77.724 25.019,77.724 25.019,82.804 15.24,82.804
GND on Top Copper "GND_L01_P177" (solid, pour order 177): 44.103,16.29 44.103,17.449 43.497,17.449 43.497,16.508 42.941,16.511 42.941,16.129 43.942,16.129
GND on Top Copper "GND_L01_P179" (solid, pour order 179): 49.901,17.451 50.493,17.451 50.493,16.624 51.307,16.624 51.563,16.368 51.475,16.28 49.904,16.28
VCC on Top Copper "VCC_L01_P180" (solid, pour order 180): 51.589,32.8 49.888,32.8 49.297,33.392 49.088,33.182 49.088,33.178 49.092,33.178 50.316,31.954 51.594,31.954
NetQ3_P2_4 on Top Copper "NONET_L-01_P-001" (solid, pour order 181): 44.704,81.915 44.704,79.756 45.593,79.756 45.593,81.915
GND on Top Copper "NONET_L-01_P-001" (solid, pour order 182): 46.228,76.581 47.244,76.581 47.244,74.422 46.228,74.422
NetQ4_3 on Top Copper "NONET_L-01_P-001" (solid, pour order 183): 40.64,76.454 41.529,76.454 41.656,76.327 41.656,74.168 40.64,74.168
Pyro_High_1 on Top Copper "NONET_L-01_P-001" (solid, pour order 184): 47.498,76.581 48.768,76.581 48.768,75.057 48.133,74.422 47.498,74.422
VDDA on Top Copper "VDDA_L01_P185" (solid, pour order 185): 32.337,36.216 31.291,37.263 31.291,37.282 31.926,37.917 31.926,38.178 31.623,38.481 31.277,38.481 30.421,37.626 30.421,37 31.754,35.667
NetQ3_P2_4 on Top Copper "NONET_L-01_P-001" (solid, pour order 188): 43.18,80.899 45.593,80.899 45.593,79.502 43.18,79.502
Pyro_High_1 on Top Copper "NONET_L-01_P-001" (solid, pour order 189): 47.244,82.296 47.244,79.502 48.641,79.502 48.641,82.296
5V on Top Copper "5V_L01_P190" (solid, pour order 190): 49.701,17.452 49.104,17.452 49.104,16.128 48.542,15.566 45.437,15.566 44.88,16.122 44.88,17.452 44.313,17.452 44.313,15.932 45.132,15.113 48.768,15.113 49.707,16.052
Pyro_Fire_2 on Top Copper "NONET_L-01_P-001" (solid, pour order 191): 39.243,78.486 39.243,76.835 38.862,76.454 38.862,75.184 40.386,75.184 40.386,78.486
Pyro_Fire_1 on Top Copper "NONET_L-01_P-001" (solid, pour order 192): 51.562,63.5 51.562,60.833 49.403,60.833 49.403,62.484 50.546,62.484 50.546,63.5
NetR27_P2_2 on Top Copper "NONET_L-01_P-001" (solid, pour order 193): 42.672,80.899 38.735,80.899 38.735,79.375 42.672,79.375
VBAT on Top Copper "NONET_L-01_P-001" (solid, pour order 194): 35.56,81.28 38.354,81.28 38.354,78.74 35.56,78.74
NetR27_P1_2 on Top Copper "NONET_L-01_P-001" (solid, pour order 195): 47.244,66.04 47.244,64.389 48.768,64.389 48.768,62.992 50.292,62.992 50.292,66.04
VBAT on Top Copper "NONET_L-01_P-001" (solid, pour order 196): 41.783,76.581 41.783,75.438 43.307,75.438 43.688,75.057 43.688,74.295 45.974,74.295 45.974,76.581
NetQ3_P1_4 on Top Copper "NONET_L-01_P-001" (solid, pour order 197): 45.085,67.945 46.609,67.945 46.609,63.5 45.085,63.5
NetF1_P1_1 on Top Copper "NONET_L-01_P-001" (solid, pour order 199): 45.085,67.945 42.545,67.945 42.545,64.77 45.085,64.77
NetF1_P2_1 on Top Copper "NONET_L-01_P-001" (solid, pour order 200): 44.577,81.023 44.577,82.042 42.164,82.042 42.164,83.185 39.37,83.185 39.37,81.023
GND on Top Copper "NONET_L-01_P-001" (solid, pour order 201): 39.878,88.646 43.561,88.646 43.561,86.995 42.545,86.995 42.545,84.455 39.878,84.455
NetD3_1 on Top Copper "NONET_L-01_P-001" (solid, pour order 202): 48.26,76.708 40.64,76.708 40.64,79.375 48.26,79.375
Pyro_Low_1 on Top Copper "NONET_L-01_P-001" (solid, pour order 203): 48.641,74.581 45.873,72.966 42.799,72.193 42.799,68.199 45.72,68.199 48.641,71.755
Bat_+ on Top Copper "NONET_L-01_P-001" (solid, pour order 205): 18.034,67.056 23.262,67.056 27.051,69.342 35.179,69.342 35.179,66.421 27.94,66.421 27.94,64.262 18.034,64.262
Pyro_Low_1 on Top Copper "NONET_L-01_P-001" (solid, pour order 206): 48.641,74.93 59.69,74.93 59.69,71.755 48.641,71.755
Umbilical_High on Top Copper "NONET_L-01_P-001" (solid, pour order 209): 12.319,85.725 23.749,85.725 23.749,83.312 23.495,83.058 21.082,83.058 20.066,82.042 12.319,82.042
Pyro_High_1 on Top Copper "NONET_L-01_P-001" (solid, pour order 210): 48.641,82.296 59.69,82.296 59.69,74.93 48.641,74.93
VCC on Top Copper "NONET_L-01_P-001" (solid, pour order 212): 30.734,75.057 37.592,75.057 42.037,70.612 42.037,60.325 35.56,60.325 35.56,70.485 31.369,70.485 30.734,71.12
VCC on Top Copper "NONET_L-01_P-001" (solid, pour order 232): 12.46,92.837 22.606,92.837 22.606,88.9 12.495,88.9
VBAT on Top Copper "VBAT_L01_P246" (solid, pour order 246): 48.169,64.217 46.798,64.217 46.798,63.266 48.169,63.266
GND on Bottom Copper "NONET_L-01_P-001" (solid, pour order 235): 19.558,75.438 22.86,75.438 22.86,74.041 22.987,71.12 31.369,71.12 31.369,68.326 22.987,68.326 22.987,67.945 22.352,67.31 19.558,67.31
VBAT on Bottom Copper "NONET_L-01_P-001" (solid, pour order 228): 23.241,74.168 23.241,79.375 26.035,79.375 26.035,78.359 25.781,78.105 25.781,74.168
Bat_+ on Bottom Copper "Bottom Copper-Bat_+" (solid, pour order 213): 12.7,69.342 17.399,64.643 24.765,64.643 24.765,66.04 23.114,66.04 23.114,67.056 19.402,67.056 19.402,75.946 22.987,75.946 22.987,78.74 12.7,78.74 12.7,75.565
GND on Bottom Copper "GND_L04_P214" (solid, pour order 214): 37.244,14.863 38.391,14.863 38.561,14.692 38.561,14.304 38.403,14.145 37.233,14.145 37.227,14.151
VCC on Bottom Copper "VCC_L04_P215" (solid, pour order 215): 36.136,12.963 36.368,12.963 36.371,12.96 36.371,12.091 36.605,11.857 36.605,11.003 35.813,11.003 35.807,11.009 35.822,11.024 35.822,11.86 35.859,11.86 36.121,12.122
GND on Bottom Copper "GND_L04_P216" (solid, pour order 216): 34.1,12.869 34.766,12.869 34.768,12.867 34.875,12.973 35.879,12.973 35.879,12.404 35.876,12.402 35.262,12.402 34.798,11.938 34.11,11.938
VCC on Bottom Copper "VCC_L04_P217" (solid, pour order 217): 37.226,13.368 37.234,13.376 38.141,13.376 38.499,13.734 39.428,13.734 39.428,12.921 38.387,12.921 38.181,13.127 37.226,13.127
VCC on Bottom Copper "VCC_L04_P218" (solid, pour order 218): 35.632,17.028 35.632,18.106 35.691,18.165 35.691,19.308 36.557,19.308 36.589,19.277 36.589,18.267 36.301,18.267 35.877,17.843 35.877,17.026
GND on Bottom Copper "GND_L04_P219" (solid, pour order 219): 36.642,12.956 36.632,12.945 36.632,12.281 37.062,11.85 37.059,11.847 37.059,10.795 37.973,10.795 38.1,10.922 38.1,11.599 37.849,11.85 37.435,11.85 36.862,12.423 36.862,12.959
NetR8_2 on Bottom Copper "NETR8_2_L04_P220" (solid, pour order 220): 35.374,17.023 35.374,17.594 35.184,17.785 35.184,19.305 34.3,19.305 34.278,19.283 34.278,18.193 35.127,17.427 35.127,17.023
GND on Bottom Copper "GND_L04_P221" (solid, pour order 221): 38.196,40.776 37.958,40.538 37.958,38.81 38.778,38.81 39.033,39.064 39.033,40.774
BatReg_IN on Bottom Copper "NONET_L-01_P-001" (solid, pour order 222): 28.702,65.786 31.115,65.786 31.115,64.77 31.114,64.771 28.703,64.771
VDDA on Bottom Copper "VDDA_L04_P224" (solid, pour order 224): 29.905,39.394 29.915,39.384 31.931,39.384 31.931,37.913 31.258,37.239 29.714,37.239 29.714,38.386 29.925,38.596
Umbilical_High on Bottom Copper "NONET_L-01_P-001" (solid, pour order 225): 19.431,85.725 23.749,85.725 23.749,83.185 19.431,83.185
Bat_+ on Bottom Copper "NONET_L-01_P-001" (solid, pour order 226): 31.75,69.85 34.925,69.85 34.925,66.04 31.75,66.04
VCC on Bottom Copper "NONET_L-01_P-001" (solid, pour order 229): 29.464,78.105 33.655,78.105 33.655,72.39 29.464,72.39
GND on Bottom Copper "NONET_L-01_P-001" (solid, pour order 230): 29.337,77.978 29.21,78.105 26.035,78.105 26.035,72.898 25.654,72.517 24.257,72.517 24.257,70.993 29.337,70.993
GND on Bottom Copper "NONET_L-01_P-001" (solid, pour order 233): 25.05,68.343 25.019,68.312 25.019,64.77 22.606,64.77 22.606,62.865 30.353,62.865 30.353,64.643 28.702,64.643 28.544,64.801 28.544,68.326
VBAT on Bottom Copper "NONET_L-01_P-001" (solid, pour order 237): 24.003,78.867 24.003,81.28 41.054,81.28 45.974,76.817 45.974,74.168 36.449,74.168 36.449,78.105 34.29,78.105 33.528,78.867
GND on Bottom Copper "GND_L04_P241" (solid, pour order 241): 34.426,77.766 36.243,77.766 36.243,74.648 34.426,74.648
VCC on Bottom Copper "VCC_L04_P243" (solid, pour order 243): 35.47,38.683 36.692,39.66 37.487,39.66 37.487,37.75 37.038,37.301 35.47,37.301
VCC on Bottom Copper "NONET_L-01_P-001" (solid, pour order 244): 12.46,92.837 22.606,92.837 22.606,88.9 12.495,88.9
BatReg_IN on Bottom Copper "BATREG_IN_L04_P245" (solid, pour order 245): 23.802,79.938 23.802,81.788 22.381,81.788 22.381,79.938
GND on Bottom Copper "GND_L04_P250" (solid, pour order 250): 29.845,20.193 29.845,12.573 cw(c27.305,12.573) 27.305,10.033 16.51,10.033 cw(c16.51,12.573) 13.97,12.573 13.97,21.082 cw(c16.51,21.082) 16.51,23.622 20.701,23.622 cw(c20.701,21.59) 22.733,21.59 ccw(c24.13,21.59) 24.13,20.193
GND on Bottom Copper "Bottom Copper-GND" (solid, pour order 247): 198 vertices, not listed, extent 14.829,13.129 26.679,22.169
GND on Bottom GND (split plane): 59.011,99.483 59.221,99.458 59.428,99.417 59.632,99.36 59.83,99.287 60.022,99.198 60.206,99.095 60.382,98.977 60.548,98.847 60.703,98.703 60.847,98.548 60.977,98.382 61.095,98.206 61.198,98.022 61.287,97.83 61.36,97.632 61.417,97.428 61.458,97.221 61.483,97.011 61.491,96.814 61.49,96.8 61.49,13.2 61.491,13.186 61.483,12.989 61.458,12.779 61.417,12.572 61.36,12.368 61.287,12.17 61.198,11.978 61.095,11.794 60.977,11.618 60.847,11.452 60.703,11.297 60.548,11.153 60.382,11.023 60.206,10.905 60.022,10.802 59.83,10.713 59.632,10.64 59.428,10.583 59.221,10.542 59.011,10.517 58.814,10.509 58.8,10.51 13.2,10.51 13.186,10.509 12.989,10.517 12.779,10.542 12.572,10.583 12.368,10.64 12.17,10.713 11.978,10.802 11.794,10.905 11.618,11.023 11.452,11.153 11.297,11.297 11.153,11.452 11.023,11.618 10.905,11.794 10.802,11.978 10.713,12.17 10.64,12.368 10.583,12.572 10.542,12.779 10.517,12.989 10.509,13.186 10.51,13.2 10.51,96.8 10.509,96.814 10.517,97.011 10.542,97.221 10.583,97.428 10.64,97.632 10.713,97.83 10.802,98.022 10.905,98.206 11.023,98.382 11.153,98.548 11.297,98.703 11.452,98.847 11.618,98.977 11.794,99.095 11.978,99.198 12.17,99.287 12.368,99.36 12.572,99.417 12.779,99.458 12.989,99.483 13.186,99.491 13.2,99.49 58.8,99.49 58.814,99.491
GND on Top GND (split plane): 59.011,99.483 59.221,99.458 59.428,99.417 59.632,99.36 59.83,99.287 60.022,99.198 60.206,99.095 60.382,98.977 60.548,98.847 60.703,98.703 60.847,98.548 60.977,98.382 61.095,98.206 61.198,98.022 61.287,97.83 61.36,97.632 61.417,97.428 61.458,97.221 61.483,97.011 61.491,96.814 61.49,96.8 61.49,13.2 61.491,13.186 61.483,12.989 61.458,12.779 61.417,12.572 61.36,12.368 61.287,12.17 61.198,11.978 61.095,11.794 60.977,11.618 60.847,11.452 60.703,11.297 60.548,11.153 60.382,11.023 60.206,10.905 60.022,10.802 59.83,10.713 59.632,10.64 59.428,10.583 59.221,10.542 59.011,10.517 58.814,10.509 58.8,10.51 13.2,10.51 13.186,10.509 12.989,10.517 12.779,10.542 12.572,10.583 12.368,10.64 12.17,10.713 11.978,10.802 11.794,10.905 11.618,11.023 11.452,11.153 11.297,11.297 11.153,11.452 11.023,11.618 10.905,11.794 10.802,11.978 10.713,12.17 10.64,12.368 10.583,12.572 10.542,12.779 10.517,12.989 10.509,13.186 10.51,13.2 10.51,96.8 10.509,96.814 10.517,97.011 10.542,97.221 10.583,97.428 10.64,97.632 10.713,97.83 10.802,98.022 10.905,98.206 11.023,98.382 11.153,98.548 11.297,98.703 11.452,98.847 11.618,98.977 11.794,99.095 11.978,99.198 12.17,99.287 12.368,99.36 12.572,99.417 12.779,99.458 12.989,99.483 13.186,99.491 13.2,99.49 58.8,99.49 58.814,99.491

## Keep-outs
Keep-Out Layer:
  rectangle: 57,10 62,100
  rectangle: 10,10 15,100

## Other copper
Top Copper:
  pour cut-out: 19.5,20 19.5,10 30,10 30,20
Bottom Copper:
  pour cut-out: 158 vertices and 0 holes, not listed, extent 15.139,13.443 26.365,21.852
Top GND (plane layer: these items are gaps in the copper):
  lines w0.254: 34.925,38.735 33.782,39.878 32.893,39.878 32.385,39.37 31.877,39.37 29.972,37.465 28.956,37.465 27.94,38.481 27.94,40.259 28.448,40.767 28.448,44.323 29.464,45.339 30.607,45.339 34.163,41.783 34.163,41.021 35.687,39.497 ; 36.322,40.132 34.671,41.783 34.417,41.783 31.496,44.704 31.496,46.609 33.401,48.514 34.798,48.514 37.465,45.847 37.465,45.212 36.322,44.069 36.322,43.053 35.814,42.545 35.814,42.037 37.02,40.831

## Silkscreen, mask and mechanical layers (free items; w line width, h text height)
Top Overlay:
  drawing of 2 lines, arcs and shapes, not listed
  text "LED2" at 19,95.75 h2
  text "LED1" at 47,95.75 h2
  text "GPS" at 33.5,83.967 h2
  text "FIREFLY" at 22.258,61.377 h4
  text "STLink" at 36.2,57.75 h2
  text "3V3" at 56.291,57.39 h1.5
  text "REG" at 10.741,55.177 h1.5
  text "SDA" at 56.291,54.907 h1.5
  text "IO3" at 10.741,52.367 h1.5
  text "SCL" at 56.291,52.367 h1.5
  text "IO2" at 10.741,49.827 h1.5
  text "ADC1" at 56.291,49.827 h1.5
  text "IO1" at 10.741,47.287 h1.5
  text "MISO" at 56.291,47.287 h1.5
  text "TX" at 10.741,44.747 h1.5
  text "MOSI" at 56.291,44.747 h1.5
  text "RX" at 10.741,42.207 h1.5
  text "SCK" at 56.291,42.207 h1.5
  text "GND" at 10.741,39.667 h1.5
  text "GND" at 56.291,39.667 h1.5
  text "JLCJLCJLCJLC" at 33.942,33.307 h1
  text "RST" at 16,28.115 h1.5 r90
  text "BOOT0" at 16,21.257 h1.5 r90
  text "USB" at 44.5,18 h1.8
Bottom Overlay:
  drawing of 34 lines, arcs and shapes, not listed
  text "2023" at 23.876,94.742 h4.5
  text "StrathSEDS" at 59.309,94.742 h4.5
  text "SW+" at 19.75,90 h1.5
  text "PEN-" at 56.75,90 h1.5
  text "SW-" at 19.75,85 h1.5
  text "PEN+" at 56.75,85 h1.5
  text "UMB+" at 19.75,81.5 h1.5
  text "P2-" at 56.75,81.5 h1.5
  text "UMB-" at 19.75,78 h1.5
  text "P2+" at 56.75,78 h1.5
  text "BAT+" at 19.75,74.5 h1.5
  text "P1+" at 56.75,74.5 h1.5
  text "BAT-" at 19.75,72.5 h1.5
  text "P1-" at 56.75,72.5 h1.5
  text "3V3" at 61.3,57.39 h1.5
  text "REG" at 15.7,55.177 h1.5
  text "SDA" at 61.3,54.907 h1.5
  text "IO3" at 15.7,52.367 h1.5
  text "SCL" at 61.3,52.367 h1.5
  text "IO2" at 15.7,49.827 h1.5
  text "ADC1" at 61.3,49.827 h1.5
  text "IO1" at 15.7,47.287 h1.5
  text "MISO" at 61.3,47.287 h1.5
  text "TX" at 15.7,44.747 h1.5
  text "MOSI" at 61.3,44.747 h1.5
  text "RX" at 15.7,42.207 h1.5
  text "SCK" at 61.3,42.207 h1.5
  text "GND" at 15.7,39.667 h1.5
  text "GND" at 61.3,39.667 h1.5
  text "RADIO" at 26.995,36.338 h1.8
  text "SD" at 53.308,32.02 h1.8
Mechanical 3:
  the board outline again, w0.2

## Text inside footprints (layer, text, board x,y; h text height)
J5: Top 3D Body "PCB Edge" at 44.93,10.291 h0.7